# Altium PCB Mirror TurnSignal.PcbDoc
Units mm, origin at the board's own origin, x right, y up, seen from the top; angles counter-clockwise.
Board outline 105 x 70.5 mm, 2 copper layers (Top Layer, Bottom Layer); 30 components, 26 nets, 110 pads, 2 vias.
Unrouted connection lines stored in the file: 23.
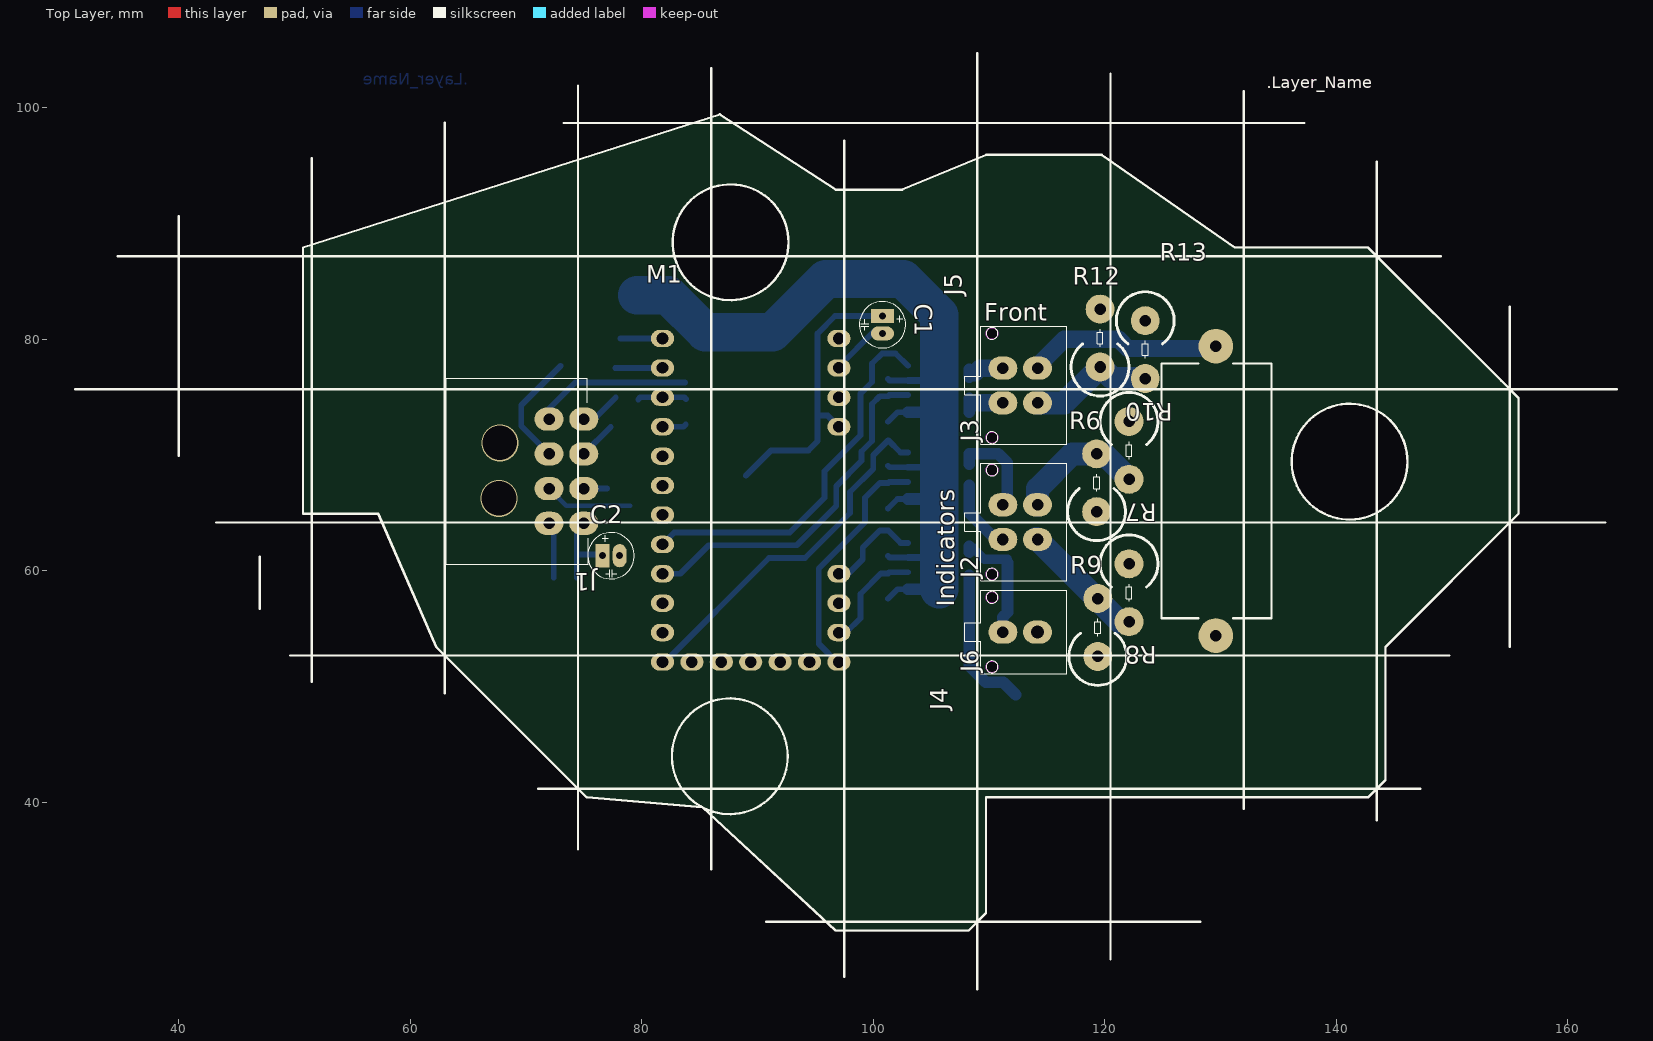
[diagram p0: Top Layer view]
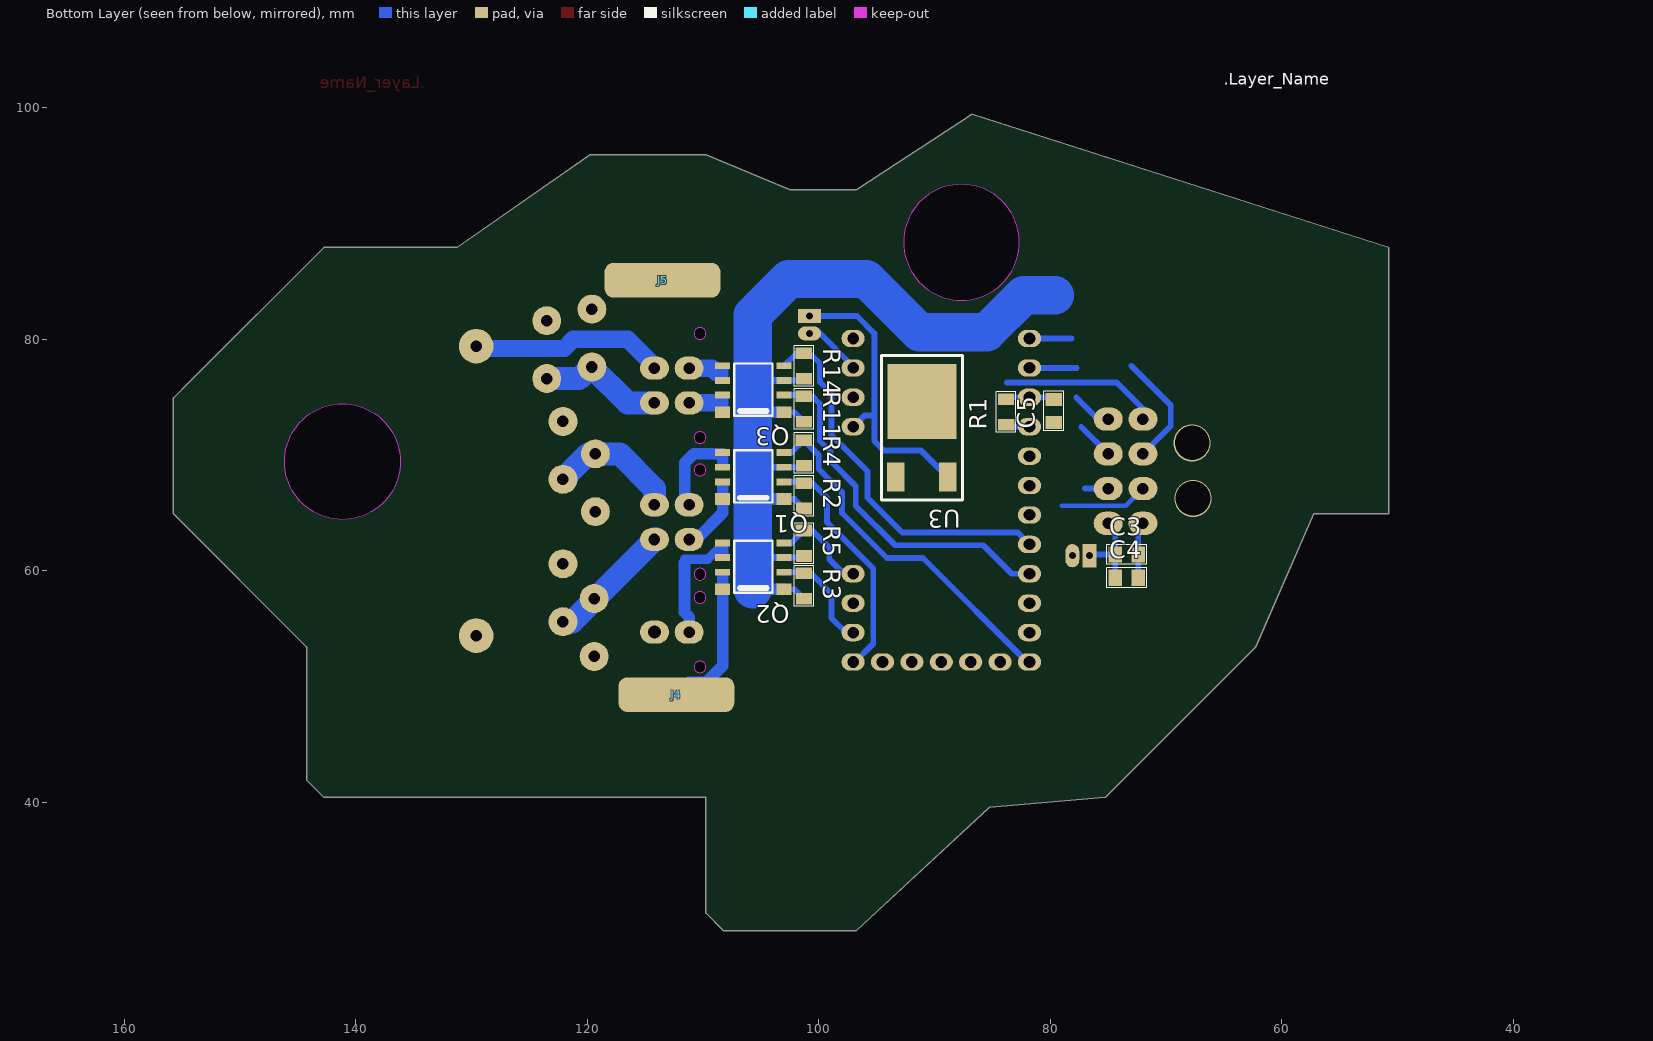
[diagram p1: Bottom Layer view, seen from below]
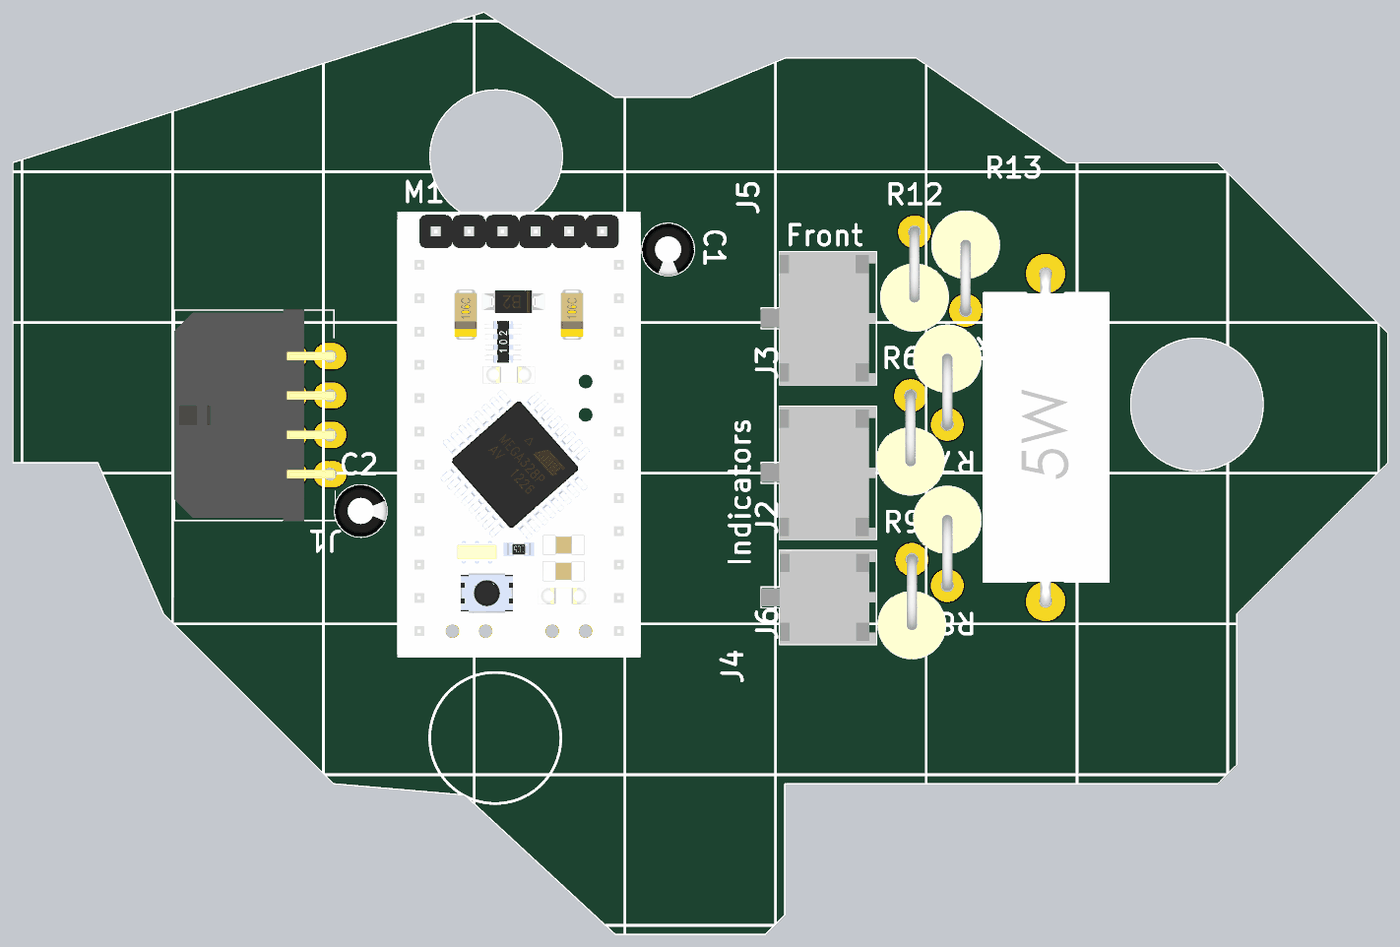
[diagram p2: 3D render of the assembled board from above, using the file's embedded part models]
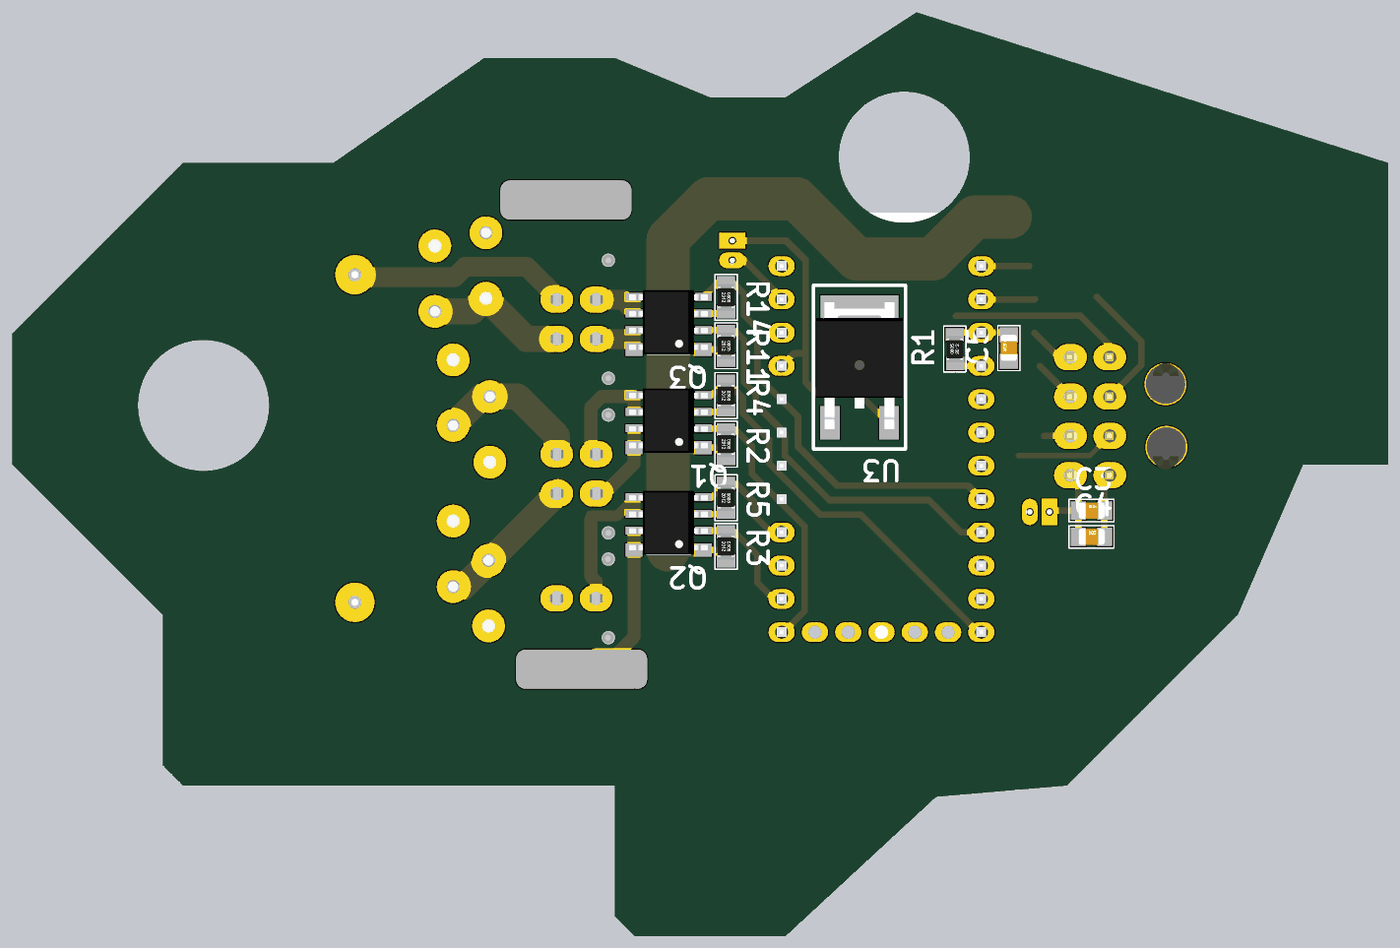
[diagram p3: 3D render of the assembled board from below, using the file's embedded part models]

## Layer stack, top to bottom
Top Solder: solder mask 0.0102, Solder Resist, Dk 3.5
Top Layer: signal copper 0.0356
Dielectric 1: dielectric 0.32, FR-4, Dk 4.8
Bottom Layer: signal copper 0.0356
Bottom Solder: solder mask 0.0102, Solder Resist, Dk 3.5

## Board outline
73.75,41.924 75.25,40.424 85.25,39.566 96.75,28.924 108.25,28.924 109.75,30.424 109.75,40.424 142.75,40.424 144.25,41.924 144.25,53.424 155.75,64.924 155.75,74.924 154.25,76.424 142.75,87.924 131.25,87.924 119.75,95.924 109.75,95.924 102.5,92.924 96.75,92.924 86.75,99.424 50.75,87.924 50.75,64.924 57.25,64.924 62.25,53.424 63.75,51.924
cut-out: 136.15,69.424 ccw(c141.15,69.424) 141.15,64.424 ccw(c141.15,69.424) 146.15,69.424 ccw(c141.15,69.424) 141.15,74.424 ccw(c141.15,69.424)
cut-out: 87.68,83.374 cw(c87.68,88.374) 82.68,88.374 cw(c87.68,88.374) 87.68,93.374 cw(c87.68,88.374) 92.68,88.374 cw(c87.68,88.374)

## Design rules (kind name [scope] priority, off if disabled: settings)
Clearance [All] p1: gap=0.3
ComponentClearance [All] p1: gap=0.01 collisioncheckmode=3 verticalgap=0.2 showdistances=FALSE
Height [All] p1: minheight=0 maxheight=25 prefheight=12.7
HoleSize [All] p1: absolutevalues=TRUE maxlimit=3.2 minlimit=0.4 maxpercent=80.000 minpercent=20.000
HoleToHoleClearance [All] p1: gap=0.2 allowstackedmicrovias=TRUE
PlaneClearance [All] p1: clearance=0.5
PlaneConnect [All] p1: planeconnectstyle=Relief reliefexpansion=0.508 reliefentries=4 reliefconductorwidth=0.5 reliefairgap=0.5
PolygonConnect [All] p1: connectstyle=Relief reliefconductorwidth=0.5 reliefentries=4 polygonreliefangle="90 Angle" airgapwidth=0.5
RoutingVias [All] p1: holewidth=0.7 width=1.5 viastyle="Through Hole" minholewidth=0.4 minwidth=0.4 maxholewidth=3.2 maxwidth=7
SilkToSilkClearance [All] p1: silktosilkclearance=0.05
SilkToSolderMaskClearance [IsPad] p1: minsilkscreentomaskgap=0.2 clearancetoexposedcopper=TRUE
SolderMaskExpansion [All] p1: expansion=0.1
Width [All] p1: maxlimit=4 minlimit=0.2 preferedwidth=0.5
21 further rules are at their usual default settings.

## Components (designator, comment, footprint, x,y, rotation, side; value= is the part's Value field where it differs from the comment)
C1 "100mF 10V" "Cap E p1.5mm D4xH8 (2p)" 100.8,82 r270 top
C2 "47mF 25V" "Cap E p1.5mm D4xH8 (2p)" 76.6,61.3 r0 top
C3 "0.1uF" "SMD 0805 (2012)"#1 74.4,61.4 r180 bottom
C4 "0.01uF" "SMD 0805 (2012)"#1 74.4,59.4 r180 bottom
C5 "0.01uF" "SMD 0805 (2012)"#1 79.7,72.8 r90 bottom
J1 "Connector" "Molex Micro-Fit 3.0 - 8 pin D R" 72,64.1 r270 top
J2 "Indicators" "Molex Micro-Fit 3.0 - 4 pin D" 114.2,65.7 r90 top
J3 "Front" "Molex Micro-Fit 3.0 - 4 pin D" 114.2,77.5 r90 top
J4 "Heater 1" "OnePin 3x10mm" 112.3,49.3 r90 top
J5 "Heater 2" "OnePin 3x10mm" 113.5,85.1 r90 top
J6 "Connector" "Molex Micro-Fit 3.0 - 2 pin D" 114.2,54.7 r90 top
M1 "Arduino Pro Micro" "Arduino Pro Mini Low (no A0-3)" 81.8,44.5 r90 top
Q1 "IRF7314" SO8 103,66.4 r0 bottom
Q2 "IRF7314" SO8 103,58.6 r0 bottom
Q3 "IRF7314" SO8 103,73.9 r0 bottom
R1 "10KOm" "SMD 0805 (2012)"#2 83.8,72.7 r90 bottom
R2 "10 kOm" "SMD 0805 (2012)"#2 101.3,67.5 r270 bottom
R3 "10 kOm" "SMD 0805 (2012)"#2 101.3,59.7 r270 bottom
R4 "10 kOm" "SMD 0805 (2012)"#2 101.3,71.2 r270 bottom
R5 "10 kOm" "SMD 0805 (2012)"#2 101.3,63.4 r270 bottom
R6 "xxOm" "Res p5 (3p) 2w" 119.3,65.1 r90 top
R7 "xxOm" "Res p5 (3p) 2w" 122.1,72.9 r270 top
R8 "xxOm" "Res p5 (3p) 2w" 122.1,60.6 r270 top
R9 "xxOm" "Res p5 (3p) 2w" 119.4,52.6 r90 top
R10 "xxOm" "Res p5 (3p) 2w" 123.5,81.6 r270 top
R11 "10 kOm" "SMD 0805 (2012)"#2 101.3,75 r270 bottom
R12 "xxOm" "Res p5 (3p) 2w" 119.6,77.6 r90 top
R13 "Om" "Res 5W L22mm, p25mm" 129.6,54.4 r90 top
R14 "10 kOm" "SMD 0805 (2012)"#2 101.3,78.7 r270 bottom
U3 "7805C" D-PAK 91.1,74.6 r270 bottom

## Footprints (in the part's own frame and the unit in brackets; to place one, negate y for a bottom-side part, rotate by r counter-clockwise, add the part's x,y. Pads: shape width x height; smd on the part's side, far side on the other; paste and mask are expansions set on the pad)
"Arduino Pro Mini Low (no A0-3)" [mm]
  oval 1.5x2 hole 1: 5V(27.94,-15.24) A4(7.62,-5.08) A5(7.62,-7.62) A6(7.62,-10.16) A7(7.62,-12.7) D2(25.4,0) D3(22.86,0) D4(20.32,0) D5(17.78,0) D6(15.24,0) D7(12.7,0) D8(10.16,0) D9(7.62,0) D10(7.62,-15.24) D11(10.16,-15.24) D12(12.7,-15.24) D13(15.24,-15.24) GND(7.62,-2.54) GND(27.94,0) GND(33.02,-15.24) RAW(35.56,-15.24) Reset(30.48,-15.24) Reset(30.48,0) RXD(33.02,0) TXD(35.56,0)
  body extent 5.63,-16.93 39.63,1.67, height 12.5
"Cap E p1.5mm D4xH8 (2p)" [mm] "D 4mm; H 8mm"
  rect 1.2x2 hole 0.6: 1(0,0)
  oval 1.2x2 hole 0.6: 2(1.5,0)
  silkscreen extent -1.25,-2 2.75,2, body extent -1.25,-2 2.74,2, height 7.31
D-PAK [mm]
  rect 2.54x1.5 smd: 1(6.5,-2.25) 3(6.5,2.25)
  rect 6.48x5.97 smd: 2(0,0)
  silkscreen extent -4,-3.5 8.5,3.5, body extent -2.7,-3.29 7,3.29, height 2.3
"Molex Micro-Fit 3.0 - 2 pin D" [mm]
  oval 2x2.5 hole 1.1: 1(0,0)
  oval 2x2.5 hole 1: 2(0,3)
  Keep-Out Layer board cut-out: 3,3.43 2.805,3.469 2.639,3.579 2.529,3.745 2.49,3.94 2.49,3.94 2.529,4.135 2.639,4.301 2.805,4.411 3,4.45 3,4.45 3.195,4.411 3.361,4.301 3.471,4.135 3.51,3.94 3.51,3.94 3.471,3.745 3.361,3.579 3.195,3.469 3,3.43
  Keep-Out Layer board cut-out: -3,3.43 -3.195,3.469 -3.361,3.579 -3.471,3.745 -3.51,3.94 -3.51,3.94 -3.471,4.135 -3.361,4.301 -3.195,4.411 -3,4.45 -3,4.45 -2.805,4.411 -2.639,4.301 -2.529,4.135 -2.49,3.94 -2.49,3.94 -2.529,3.745 -2.639,3.579 -2.805,3.469 -3,3.43
  silkscreen extent -3.6,-2.5 3.6,6.3, body extent -3.58,-2.47 3.58,6.29, height 9.95
"Molex Micro-Fit 3.0 - 4 pin D" [mm]
  oval 2x2.5 hole 1: 1(0,0) 2(-3,0) 3(0,3) 4(-3,3)
  Keep-Out Layer board cut-out: -6,3.43 -6.195,3.469 -6.361,3.579 -6.471,3.745 -6.51,3.94 -6.51,3.94 -6.471,4.135 -6.361,4.301 -6.195,4.411 -6,4.45 -6,4.45 -5.805,4.411 -5.639,4.301 -5.529,4.135 -5.49,3.94 -5.49,3.94 -5.529,3.745 -5.639,3.579 -5.805,3.469 -6,3.43
  Keep-Out Layer board cut-out: 3,3.43 2.805,3.469 2.639,3.579 2.529,3.745 2.49,3.94 2.49,3.94 2.529,4.135 2.639,4.301 2.805,4.411 3,4.45 3,4.45 3.195,4.411 3.361,4.301 3.471,4.135 3.51,3.94 3.51,3.94 3.471,3.745 3.361,3.579 3.195,3.469 3,3.43
  silkscreen extent -6.58,-2.5 3.6,6.3, body extent -6.57,-2.44 3.58,6.33, height 9.95
"Molex Micro-Fit 3.0 - 8 pin D R" [mm]
  oval 2x2.5 hole 1: 1(0,0) 2(-3,0) 3(-6,0) 4(-9,0) 5(0,3) 6(-3,3) 7(-6,3) 8(-9,3)
  silkscreen extent -12.52,-8.87 3.52,3.4, body extent -12.57,-8.87 3.58,3.37, height 8.73
"OnePin 3x10mm" [mm]
  rrect50% 3x10 smd far side: 1(0,0)
"Res 5W L22mm, p25mm" [mm] "L22mm p25; horisontal"
  round 3 hole 1: 1(0,0) 2(25,0)
  silkscreen extent 1.5,-4.8 23.5,4.7, body extent -0.4,-4.75 25.41,4.75, height 9.01
"Res p5 (3p) 2w" [mm] "L p5mm; horisontal"
  round 2.5 hole 1: 1(0,0) 2(5,0)
  silkscreen extent -2.5,-2.5 3.25,2.5, body extent -2.6,-2.6 5.4,2.6, height 22.1
"SMD 0805 (2012)"#1 [mil]
  rect 45x55 smd: 1(0,0) 2(78.74,0)
  silkscreen extent -29,-33 107,33, body extent 1,-25 80,25, height 31
"SMD 0805 (2012)"#2 [mil]
  rect 39.37x55.12 smd: 1(-2.95,0) 2(83.66,0.98)
  silkscreen extent -29,-32 109,34, body extent 1,-24 80,26, height 18
SO8 [mm]
  rect 1.3x1 smd: 1(0,0.2) 8(5.3,0.2)
  rect 1.3x0.6 smd: 2(0,-1.27) 3(0,-2.54) 4(0,-3.81) 5(5.3,-3.81) 6(5.3,-2.54) 7(5.3,-1.27)
  silkscreen extent 1,-4 4.3,0.5, body extent -0.32,-4.33 5.67,0.57, height 1.6

## Part data
C1: library part "Cap E 100mF x 10V", "Capacitor"
C2: library part "Cap E 47mF x 25V", "Capacitor"
C3 C4 C5: library part "Cap SMD 0402-1812", "Capacitor"
J1: library part "Micro-Fit 8R (2x4)", "Horisontal, Dbl line, Male - 3mm"
J2 J3: library part "Micro-Fit 4R (2x2)", "Horisontal, Dbl line, Male - 3mm"
J4 J5: library part "OnePin Connector", "Only pad"
J6: library part "Micro-Fit 2R (1x2)", "Horisontal, Dbl line, Male - 3mm"
Q1 Q2 Q3: "Dual P-Ch  20V - 0.058? - 5.3A"
R1 R2 R3 R4 R5 R11 R14: library part "Res All Types"
R6 R7 R8 R9 R10 R12: library part "Res 2W", "5W Cement"
R13: library part "Res 5W", "5W Cement"
U3: "Voltage Regulator"

## Via types
v1: diameter 3.2, hole 3, Top Layer to Bottom Layer, 2 vias

## Nets (pads, with @x,y where several pads share a name; then routed paths per layer and width w, separated by ;. In a path a pad name is that pad's centre, name@x,y a point inside that pad or via, vN(x,y) a via of type N, cw(c..) or ccw(c..) an arc to the next point about the centre after c; other vN are vias at no path point)
+5V: C1.1 M1.5V U3.3 | length 25.2
  Bottom Layer w0.5: U3.3@89,68.2 91.2,70.4 94.4,70.4 95.2,71.2 95.2,80.5 96.7,82 C1.1 ; 95.2,73.4 96.08,73.4 M1.5V
+12V: C2.1 C3.1 C4.1 J1.5 Q1.1 Q1.3 Q2.1 Q2.3 Q3.1 Q3.3 R2.2 R3.2 R4.2 R5.2 R11.2 R14.2 U3.1 | length 88.8
  Bottom Layer w0.5: C4.1 C3.1 ; J1.5 74.4,63.5 C3.1 ; C2.1 76.5,61.4 C3.1 ; R3.2 102.1,58.4 Q2.1 ; R5.2 101.41,61.14 Q2.3 ; R2.2 102.1,66.2 Q1.1 ; R4.2 101.41,68.94 Q1.3 ; R11.2 102.1,73.7 Q3.1 ; R14.2 101.41,76.44 Q3.3
  Bottom Layer w0.6: Q2.3 105.64,61.14 ; Q1.3 105.54,68.94 105.7,69.1 ; Q3.3 105.7,76.44
  Bottom Layer w1: Q2.1 105.7,58.4 ; Q1.1 105.2,66.2 ; Q3.1 105.7,73.7
  Bottom Layer w3.3: 79.6,83.8 82.3,83.8 85.5,80.6 91.3,80.6 95.9,85.2 102.6,85.2 105.7,82.1 105.7,76.44 105.7,69.1 105.7,58.4
DIG: J1.2 M1.D2 | length 7.6
  Bottom Layer w0.4: J1.2 73.5,65.6 79,65.6
GND: C1.2 C2.2 C3.2 C4.2 J1.1 J5.1 J6.1 M1.GND R1.1 R6.1 R7.1 R8.1 R9.1 R10.1 R12.2 R13.1 U3.2 | length 12.1
  Bottom Layer w0.5: J1.1 72.4,63.7 C3.2 C4.2 ; M1.GND@81.8,72.44 83.615,72.44 R1.1 ; M1.GND@97.04,77.52 97.04,77.64 100.1,80.7 C1.2@100.8,80.7
NetC5_2: C5.2 M1.Reset R1.2 | length 4.3
  Bottom Layer w0.5: C5.2 79.88,74.98 81.8,74.98 83.67,74.98 R1.2
NetJ2_1: J2.1 R6.2 R7.2 | length 11.5
  Bottom Layer w2: J2.1 114.2,67.1 117.2,70.1 R6.2 119.9,70.1 R7.2
NetJ2_2: J2.2 R8.2 R9.2 | length 11
  Bottom Layer w2: J2.2@114.1,62.8 121.3,55.6 R8.2
NetJ3_1: J3.1 R13.2 | length 16.7
  Bottom Layer w1.5: J3.1 114.2,77.7 116.5,80 121.2,80 122,79.2 R13.2@129.4,79.2
NetJ3_2: J3.2 R10.2 R12.1 | length 11
  Bottom Layer w2: J3.2 116.5,74.5 R12.1 119.7,77.6 120.7,76.6 R10.2
O-DIGITAL: J6.2 Q2.5 Q2.6 | length 10.1
  Bottom Layer w0.8: 108.6,62 109.6,61 111.6,61
  Bottom Layer w1: 108.3,61.6 108.3,62.1 ; J6.2 111.2,56 111.6,56.4 111.6,60.7
O-HEATER: J4.1 Q2.7 Q2.8 | length 12.8
  Bottom Layer w1: Q2.7@108.3,59.6 Q2.8 108.3,51.793 109.713,50.38 111.22,50.38 J4.1
O-HLIGHT: J3.3 Q3.5 Q3.6 | length 3.3
  Bottom Layer w1: Q3.6@108.3,76.7 108.3,77.4
  Bottom Layer w1.5: 108.8,77.1 109.2,77.5 J3.3
O-IRED: J2.3 Q1.5 Q1.6 | length 8.3
  Bottom Layer w1: Q1.6@108.3,69.2 108.3,70.1 110.8,70.1 111.58,69.32 111.58,66.08 J2.3
O-IYELLOW: J2.4 Q1.7 Q1.8 | length 6.3
  Bottom Layer w1: Q1.7@108.3,67.4 Q1.8 108.3,65 110.6,62.7 J2.4
O-TURN: J3.4 Q3.7 Q3.8 | length 3.5
  Bottom Layer w1: Q3.8 Q3.7@108.3,74.9
  Bottom Layer w1.5: 108.9,74.5 J3.4
OL-DIGITAL: M1.D13 Q2.4 R5.1 | length 8.5
  Bottom Layer w0.5: M1.D13 97.84,59.74 99.1,61 99.1,62 100.575,63.475 R5.1 102.365,62.41 Q2.4
OL-HEATER: M1.D11 Q2.2 R3.1 | length 9.8
  Bottom Layer w0.5: M1.D11@97.46,54.66 M1.D11 97.66,54.66 98.9,55.9 98.9,58 100.675,59.775 R3.1 101.395,59.87 Q2.2
OL-HLIGHT: M1.D5 Q3.4 R14.1 | length 32.9
  Bottom Layer w0.5: M1.D5 82.82,63.3 92.8,63.3 95.8,66.3 95.8,68.6 98.9,71.7 98.9,75.3 99.9,76.3 99.9,77.9 100.775,78.775 R14.1 101.935,78.775 Q3.4
OL-IRED: M1.D9 Q1.4 R4.1 | length 31.3
  Bottom Layer w0.5: M1.D9@81.91,52.01 91,61.1 94.1,61.1 98,65 98,66.8 100,68.8 100,69.975 R4.1 102.365,70.21 Q1.4
OL-IYELLOW: M1.D10 Q1.2 R2.1 | length 20.9
  Bottom Layer w0.5: M1.D10@96.96,52.04 95.3,53.7 95.3,60.2 99.3,64.2 99.3,66.3 100.575,67.575 R2.1 101.395,67.67 Q1.2
OL-TURN: M1.D6 Q3.2 R11.1 | length 30.9
  Bottom Layer w0.5: M1.D6 83.34,59.74 85.8,62.2 93.4,62.2 96.8,65.6 96.8,67.3 99,69.5 99,70.3 99.9,71.2 99.9,74.4 100.575,75.075 R11.1 101.395,75.17 Q3.2
RST: C5.1 J1.6 | length 2
  Bottom Layer w0.5: J1.6 77,67.1
RX: J1.7 M1.RXD | length 7.4
  Bottom Layer w0.5: J1.7 77.32,72.42 ; 77.72,77.52 M1.RXD
SCL: J1.3 M1.A5 | length 10
  Bottom Layer w0.5: J1.3 69.6,72.5 69.6,74.3 73,77.7
SDA: J1.4 M1.A4 | length 13.6
  Bottom Layer w0.5: J1.4 72,74 74.26,76.26 83.74,76.26
TX: J1.8 M1.TXD | length 7.2
  Bottom Layer w0.5: J1.8 75.9,73.1 77.76,74.96 ; 78.16,80.06 M1.TXD
pads on no net: M1.A6 M1.A7 M1.D3 M1.D4 M1.D7 M1.D8 M1.D12 M1.RAW
copper on no net:
  other v1: 67.68,66.26 67.75,71.05

## Other copper
Top Layer:
  text ".Layer_Name" at 133.975,101.7 h1
Bottom Layer:
  text ".Layer_Name" at 65,102 h1

## Silkscreen, mask and mechanical layers (free items; w line width, h text height)
Top Overlay:
  circle w0.2: c87.61,43.974 r5
  circle w0.2: c141.15,69.424 r5
  circle w0.2: c87.68,88.374 r5
  lines w0.2: 31.05,75.674 164.25,75.674 ; 34.75,87.174 149.05,87.174 ; 40,69.924 40,90.624 ; 43.25,64.174 163.25,64.174 ; 47,56.724 47,61.224 ; 49.65,52.674 149.75,52.674 ; 51.5,50.424 51.5,95.624 ; 62.977,49.426 63,98.724 ; 71.05,41.174 147.25,41.174 ; 73.25,98.674 137.25,98.674 ; 74.5,35.924 74.5,101.924 ; 86,34.224 86,103.424 ; 90.75,29.674 128.25,29.674 ; 97.5,24.924 97.5,97.174 ; 109,23.824 109,104.724 ; 120.5,26.424 120.5,102.924 ; 132,39.424 132,101.424 ; 143.5,38.424 143.5,95.324 ; 155,53.424 155,82.824 ; 50.75,64.924 57.25,64.924 62.25,53.424 63.75,51.924 73.75,41.924 75.25,40.424 85.25,39.566 96.75,28.924 108.25,28.924 109.75,30.424 109.75,40.424 131.25,40.424 142.75,40.424 144.25,41.924 144.25,53.424 155.75,64.924 155.75,74.924 154.25,76.424 142.75,87.924 131.25,87.924 119.75,95.924 109.75,95.924 102.5,92.924 96.75,92.924 86.75,99.424 50.75,87.924 50.75,74.924 50.75,64.924
  text ".Layer_Name" at 133.975,101.7 h1
Bottom Overlay:
  text ".Layer_Name" at 65,102 h1
Top Solder:
  text ".Layer_Name" at 133.975,101.7 h1
Bottom Solder:
  text ".Layer_Name" at 65,102 h1
Mechanical 2:
  text "105 x 71 mm" at 51,105.25 h1
  text "F800 in Mirror PCB" at 50.975,103.475 h1
  text ".Pcb_File_Name_No_Path" at 50.925,101.425 h1
Mechanical 3:
  text "105 x 71 mm" at 149,105.25 h1
  text "F800 in Mirror PCB" at 148.975,103.475 h1
  text ".Pcb_File_Name_No_Path" at 148.925,101.425 h1

## Dimensions
51,29 to 156,29 on Mechanical 3
55,100 to 51,29 on Mechanical 3
55,100 to 51,29 on Mechanical 2
51,29 to 156,29 on Mechanical 2